# Altium PCB Fri3D_2020_00.PcbDoc (part 2 of 2) (continued)
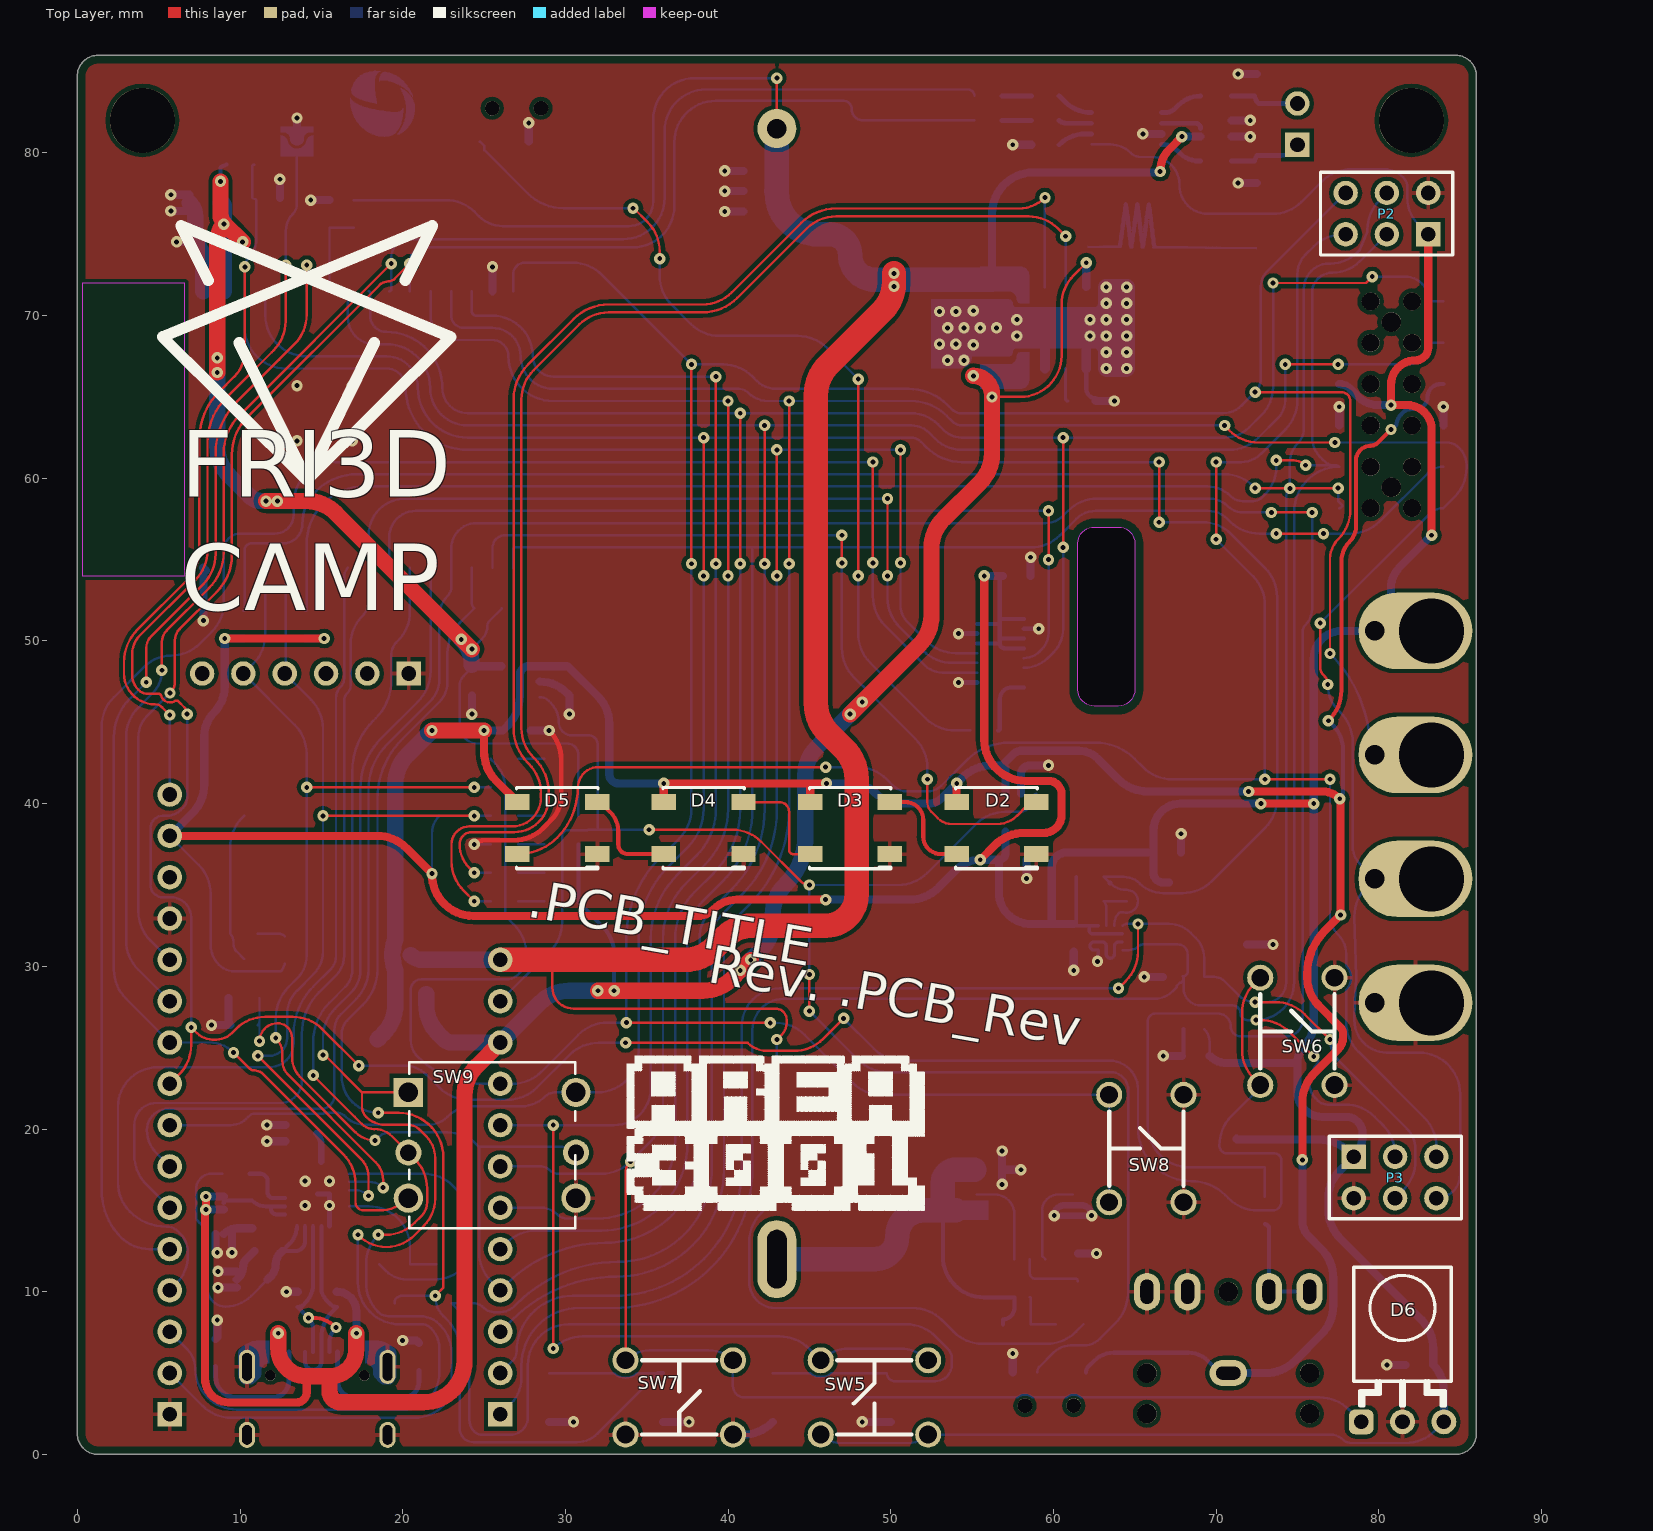
[diagram p0: Top Layer view]
## Nets (pads, with @x,y where several pads share a name; then routed paths per layer and width w, separated by ;. In a path a pad name is that pad's centre, name@x,y a point inside that pad or via, vN(x,y) a via of type N, cw(c..) or ccw(c..) an arc to the next point about the centre after c; other vN are vias at no path point) (continued)
NetJ2_B5: J2.B5 R5.1 | length 8.2
  Bottom Layer w0.3: R5.1@8.5,5.4 8.5,4.775 ccw(c9.775,4.775) 9.775,3.5 12,3.5 ccw(c12,4.5) 13,4.5 J2.B5@13,6.298
NetP8_15: P8.15 R28.1 | length 3.9
  Bottom Layer w0.25: R28.1@56.6,44.5 ccw(c56.6,44.6) 56.7,44.6 56.7,46.4 cw(c57.45,46.4) 57.45,47.15 P8.15@58.187,47.15
NetR9_2: R9.2 R10.2 | length 1.7
  Bottom Layer w0.15: R10.2@11.1,32 12.388,32 cw(c12.388,31.488) R9.2@12.75,31.85
NetR16_2: R16.2 U3.9 | length 3.3
  Bottom Layer w0.25: R16.2@10.6,17.25 11.25,17.25 cw(c11.25,16.8) 11.7,16.8 11.7,16.1 ccw(c12.05,16.1) 12.05,15.75 U3.9@12.775,15.75
NetR23_1: R23.1 U6.2 | length 2.1
  Bottom Layer w0.2: U6.2@60.75,66.75 60.75,64.9 ccw(c60.9,64.9) R23.1@60.9,64.75
NetR26_1: R26.1 U8.2 | length 4.1
  Bottom Layer w0.15: U8.2@58.55,12 58.55,11.15 ccw(c58.9,11.15) 58.9,10.8 61.35,10.8 cw(c61.35,10.65) R26.1@61.5,10.65
NetT1_4: T1.4 U8.1 | length 5.8
  Bottom Layer w0.15: T1.4@55.3,15.975 56.394,15.975 cw(c56.394,14.769) 57.6,14.769 U8.1@57.6,12
NetT1_5: T1.5 U8.3 | length 5.5
  Bottom Layer w0.15: U8.3@59.5,12 59.3,12.2 59.3,14.964 cw(c60.311,14.964) 60.311,15.975 T1.5@61.2,15.975
PWR.EN: P4.11 SW2.2 U4.3 U5.3 | length 105
  Top Layer w0.15: v1(35.15,38.4) 40.248,38.4 cw(c40.248,35.86) 42.044,37.656 44.488,35.212 ccw(c45,35.724) v1(45,35) ; v1(45,27.25) v1(45,29.5)
  Bottom Layer w0.15: P4.11@26,27.86 29.056,30.916 ccw(c27.26,32.712) 29.8,32.712 29.8,38 cw(c30.175,38) 30.175,38.375 31.3,38.375 ccw(c31.3,38.75) 31.435,38.4 32,38.4 ; U4.3@28.425,46.55 cw(c28.425,45.765) 28.98,46.32 29.1,46.2 cw(c27.893,44.993) 29.6,44.993 ccw(c30.393,44.993) 30.393,44.2 31.4,44.2 cw(c31.4,43.6) 32,43.6 32,38.4 ; v1(35.15,38.4) 32,38.4 ; v1(45,27.25) 48.006,24.244 ccw(c49.802,26.04) 49.802,23.5 63.5,23.5 cw(c63.5,22.4) 64.6,22.4 64.6,10.044 cw(c61.719,10.044) 63.756,8.006 62.869,7.119 cw(c61.859,8.128) 61.859,6.7 ; v1(45,29.5) v1(45,35) 50.448,35 ccw(c50.448,37.54) 52.244,35.744 55.259,38.759 cw(c57.047,36.973) 57.047,39.5 ; 57.048,39.5 57.876,39.5 ccw(c57.876,40.417) 58.523,39.768 ccw(c57.703,40.589) 58.864,40.589 U5.3@58.95,40.625 ; SW2.2@59,5.05 cw(c59.483,5.05) 59.141,5.391 60.006,6.256 cw(c61.078,5.184) 61.078,6.7 61.857,6.7
S\T\D\B\Y\: R24.2 U6.6 | length 80.5
  Top Layer w0.15: v1(24.4,34) 23.744,34.656 cw(c25.54,36.452) 23,36.452 23,37.5 cw(c24.1,37.5) 24.1,38.6 26.726,38.6 ccw(c26.726,40.374) 28.5,40.374 28.5,40.648 ccw(c25.96,40.648) 27.756,42.444 27.7,42.5 cw(c29.832,44.632) 26.817,44.632 26.817,64.848 cw(c29.84,64.848) 27.702,66.986 30.514,69.798 cw(c32.652,67.66) 32.652,70.683 38.431,70.683 ccw(c38.431,73.223) 40.227,71.427 44.498,75.698 cw(c46.636,73.56) 46.636,76.583 57.866,76.583 ccw(c57.866,78.865) v1(59.48,77.252)
  Bottom Layer w0.15: v1@24.4,34 R24.2@25.4,34 ; U6.6@59.48,71.75 v1(59.48,77.252)
SPI.CLK: MOD1.30 P5.6 P8.10 | length 99.4
  Top Layer w0.15: v1(49.8,54) v1(49.8,58.75)
  Bottom Layer w0.15: P5.6@5.68,15.16 4.244,16.596 cw(c6.04,18.392) 3.5,18.392 3.5,20.25 cw(c4.85,20.25) 4.85,21.6 12.461,21.6 ccw(c12.461,22.939) 13.8,22.939 13.8,25.853 cw(c17.397,25.853) 14.854,28.396 15.895,29.438 ccw(c14.676,30.657) 16.4,30.657 16.4,46.317 cw(c17.083,46.317) 16.6,46.8 ccw(c16.117,47.283) 16.8,47.283 16.8,49.81 cw(c19.19,49.81) 17.5,51.5 ccw(c16.529,52.471) 17.902,52.471 MOD1.30@17.902,54.5 17.902,56.502 cw(c20.15,56.502) 20.15,58.75 v1(49.8,58.75) ; v1(49.8,54) 49.8,52.652 ccw(c52.34,52.652) 50.544,50.856 52.006,49.394 ccw(c53.802,51.19) 53.802,48.65 P8.10@55.312,48.65
SPI.DI: MOD1.31 P5.4 | length 57.4
  Bottom Layer w0.15: 5.457,14 cw(c5.457,17.145) 3.234,14.92 cw(c5.004,16.692) 2.5,16.692 2.5,21.36 cw(c4.94,21.36) 4.94,23.8 11.8,23.8 ccw(c11.8,25.3) 13.3,25.3 13.3,25.853 cw(c17.397,25.853) 14.5,28.75 15.556,29.806 ccw(c14.726,30.636) 15.9,30.636 15.9,46.476 cw(c16.924,46.476) 16.2,47.2 ccw(c15.717,47.683) 16.4,47.683 16.4,53.94 cw(c17.192,53.94) MOD1.31@16.632,54.5 ; 5.458,14 5.476,14 cw(c5.476,12.976) 6.2,13.7 6.305,13.595 cw(c5.11,12.4) 6.8,12.4 6.8,12.252 cw(c4.26,12.252) 6.056,10.456 P5.4@5.68,10.08
SPI.DO: MOD1.37 P5.5 P8.12 | length 109.9
  Top Layer w0.15: v1(48.9,54.8) v1(48.9,61)
  Bottom Layer w0.15: 1.5,16.203 ccw(c5.543,16.203) 2.685,13.343 ccw(c4.432,15.092) 4.432,12.62 P5.5@5.68,12.62 ; 1.5,16.204 1.5,44.748 cw(c4.04,44.748) 2.244,46.544 4.129,48.429 cw(c5.748,46.812) 5.748,49.1 ; 5.749,49.1 ccw(c5.748,51.64) 7.544,49.844 8.268,50.568 ccw(c6.472,52.364) 9.012,52.364 MOD1.37@9.012,54.5 9.012,55.6 cw(c10.012,55.6) 10.012,56.6 12.138,56.6 ccw(c12.138,57.762) 13.3,57.762 13.3,58.46 cw(c15.84,58.46) 15.84,61 17.9,61 v1(48.9,61) ; v1(48.9,54.8) 48.9,52.752 ccw(c51.44,52.752) 49.644,50.956 52.1,48.5 ccw(c53.186,49.586) 53.186,48.05 P8.12@55.312,48.05
SPK_N: C24.1 F1.2 P10.2 | length 4.3
  Bottom Layer w0.3: F1.2@70.95,83.5 72.355,83.5 C24.1@72.5,83.15 72.61,83.04 P10.2@75,83.04
SPK_P: C25.1 F2.2 P10.1 | length 4.6
  Bottom Layer w0.3: F2.2@70.95,79.5 72.355,79.5 C25.1@72.5,79.85 73.999,79.85 ; 74,79.85 ccw(c74,81.098) 74.882,80.215 74.907,80.275 P10.1@75,80.5
USB.D_n: D1.1 J2.A7 J2.B7 U3.4 | length 12
  Top Layer w0.25: v1(14.207,8.393) 14.468,8.393 cw(c14.468,6.368) v1(15.9,7.8)
  Bottom Layer w0.25: J2.A7@14.5,6.298 14.5,7.686 14.5,7.688 ccw(c13.505,7.688) 14.209,8.391 v1(14.207,8.393) D1.1@13.55,9.05 ccw(c13.55,9.533) 13.891,9.191 14,9.3 ccw(c12.793,10.507) 14.5,10.507 U3.4@14.5,14.025 ; J2.B7@15.5,6.298 15.5,6.834 cw(c16.866,6.834) v1(15.9,7.8)
USB.D_p: D1.6 J2.A6 J2.B6 U3.3 | length 11.2
  Bottom Layer w0.25: J2.B6@14,6.298 14,5.7 ccw(c14.5,5.7) 14.5,5.2 ccw(c14.5,5.7) 15,5.7 J2.A6@15,6.298 15,7.176 15,7.178 cw(c17.226,7.178) 15.655,8.755 15.656,8.756 D1.6@15.95,9.05 cw(c15.95,9.533) 15.609,9.191 15.3,9.5 cw(c16.024,10.224) 15,10.224 U3.3@15,14.025
VBAT: BAT1.1 C17.1 C26.1 P4.12 P6.1 R8.1 R17.1 T5.3 U6.5 U9.6 | length 206.1
  Top Layer w0.15: 29.244,30.4 ccw(c29.244,30.356) 29.2,30.356 29.2,28.7 ccw(c30.5,28.7) 30.5,27.4 42.917,27.4 cw(c42.917,26.717) 43.4,27.2 cw(c42.917,26.717) 43.6,26.717 43.6,26.5 cw(c42.634,26.5) 43.317,25.817 v1(43,25.5) ; BAT1.1@43,81.5 v1(43,84.6)
  Top Layer w0.5: v1(66.561,78.859) cw(c68.498,78.859) 67.129,80.229 v1(67.9,81)
  Top Layer w1.5: P4.12@26,30.4 29.244,30.4 37.348,30.4 ccw(c37.348,32.94) 39.144,31.144 39.8,31.8 cw(c41.49,30.11) 41.49,32.5 46,32.5 ccw(c46,34.4) 47.9,34.4 47.9,41.548 ccw(c45.36,41.548) 47.156,43.344 46.144,44.356 cw(c47.94,46.152) 45.4,46.152 45.4,65.148 cw(c47.94,65.148) 46.144,66.944 49.456,70.256 ccw(c47.66,72.052) 50.2,72.052 v1(50.2,72.6)
  Bottom Layer w0.15: R17.1@17,77.1 22.648,77.1 cw(c22.648,74.56) 24.444,76.356 24.7,76.1 ccw(c26.149,77.549) 26.149,75.5 33.9,75.5 ccw(c33.9,77) 35.4,77 35.4,82.06 cw(c37.94,82.06) 37.94,84.6 v1(43,84.6) ; 42.256,15.056 42.044,14.844 ccw(c43.84,13.048) 41.3,13.048 41.3,10.6 ccw(c42.9,10.6) 42.9,9 51.348,9 cw(c51.348,6.46) 53.144,8.256 53.856,7.544 ccw(c55.652,9.34) 55.652,6.8 59.597,6.8 ccw(c59.597,9.34) 61.393,7.544 R8.1@61.85,8 ; 42.256,15.056 ccw(c40.46,16.852) 43,16.852 v1(43,25.5)
  Bottom Layer w0.3: U9.6@66.65,81.825 68.725,81.825 cw(c68.725,81.5) C26.1@69.05,81.5
  Bottom Layer w0.5: C17.1@56.227,72.199 56.227,76.26 cw(c58.767,76.26) 58.767,78.8 66.5,78.8 cw(c66.559,78.8) 66.559,78.859 v1(66.561,78.859) ; v1(67.9,81) C26.1@69.05,81
  Bottom Layer w1: T5.3@20.5,30.7 ccw(c21.224,31.424) 21.224,30.4 P4.12@26,30.4
  Bottom Layer w1.5: P6.1@42.95,77.65 ccw(c42.95,77.7) P6.1@43,77.7 ; BAT1.1@43,81.5 P6.1@43,77.7 ; C17.1@56.227,72.199 50.2,72.199 49.051,72.199 cw(c49.051,73.75) 47.5,73.75 ccw(c46.25,73.75) 46.25,75 45.54,75 cw(c45.54,77.54) 43,77.54 43,77.65 P6.1@43,77.7
  other v1: 50.2,71.8
Vo_N: F1.1 U9.5 | length 2.7
  Bottom Layer w0.3: U9.5@66.65,82.475 66.836,82.475 ccw(c66.836,83.414) 67.5,82.75 67.684,82.934 cw(c69.05,81.569) F1.1@69.05,83.5
Vo_P: F2.1 U9.8 | length 2.7
  Bottom Layer w0.3: U9.8@66.65,80.525 cw(c66.65,79.137) 67.632,80.118 67.75,80 ccw(c68.957,81.207) 68.957,79.5 F2.1@69.05,79.5
Vpp: C18.2 U3.16 | length 1.9
  Bottom Layer w0.4: C18.2@14.7,19.75 cw(c13.976,19.026) 15,19.026 U3.16@15,17.975
VSYS: C12.1 C14.1 C20.1 D2.1 D3.1 D4.1 D5.1 D17.C J1.1 P9.8 SW2.1 T5.2 U4.1 U5.1 | length 179
  Top Layer w0.25: v1(76.9,45.1) 76.956,45.156 ccw(c75.16,46.952) 77.7,46.952 77.7,54.893 cw(c79.407,54.893) 78.2,56.1 ccw(c77.234,57.066) 78.6,57.066 78.6,61.1 cw(c79.5,61.1) 79.5,62 ccw(c79.5,62.604) 79.927,62.177 v1(80.75,63)
  Top Layer w0.5: v1(25,44.5) 25,43.202 ccw(c27.54,43.202) 25.744,41.406 D5.1@27.05,40.1 ; D4.1@36.05,40.1 v1(36.05,41.25) 45.05,41.25 ; D3.1@45.05,40.1 45.05,41.25 ; v1(46.05,41.25) 45.05,41.25 ; D2.1@54.05,40.1 54.05,41.237 v1(54.057,41.243) ; v1(72,40.75) 76.514,40.75 cw(c76.514,39.214) v1(77.6,40.3) cw(c77.465,40.165) 77.656,40.165 v1(77.656,33.156) 76.7,32.2 ccw(c79.356,29.544) 75.6,29.544 75.6,29.543 75.6,29.3 ccw(c78.014,29.3) 76.307,27.593 77.659,26.241 cw(c77.317,25.9) 77.8,25.9 77.8,25.624 cw(c76.776,25.624) 77.5,24.9 76.044,23.444 ccw(c77.84,21.648) 75.3,21.648 v1(75.3,18.1)
  Top Layer w1: v1(21.8,44.5) v1(25,44.5)
  Bottom Layer w0.25: SW2.1@62,5.05 cw(c62.483,5.05) 62.141,5.391 62.5,5.75 cw(c63.707,4.543) 63.707,6.25 68.293,6.25 cw(c68.293,4.543) 69.5,5.75 69.896,5.354 ccw(c70.75,6.207) J1.1@70.75,5 ; v1(76.9,45.1) 77.2,44.8 cw(c75.751,43.351) 77.8,43.351 77.8,40.783 cw(c77.117,40.783) v1(77.6,40.3) ; v1(80.75,63) ccw(c80.608,63.479) 81.102,63.4 cw(c82.04,63.25) 81.134,63.537 cw(c82.04,63.25) 81.383,63.936 ccw(c81.038,64.298) 81.423,63.979 cw(c82,63.5) 82,64.25 82.25,64.25 ccw(c82.25,65) 83,65 cw(c83.79,65) 83.79,65.79 P9.8@83.97,65.79
  Bottom Layer w0.5: v1(25,44.5) C20.1@26.15,44.5 26.456,44.806 ccw(c24.66,46.602) 27.2,46.602 27.2,47.9 cw(c27.75,47.9) 27.75,48.45 U4.1@28.425,48.45 30.009,48.45 cw(c30.009,48.109) C12.1@30.25,48.35 32,46.6 cw(c30.31,44.91) 32.7,44.91 32.7,41.8 ccw(c33.25,41.8) 33.25,41.25 v1(36.05,41.25) ; v1(46.05,41.25) 47.672,41.25 cw(c47.672,39.372) 49,40.7 ccw(c50.69,42.39) 50.69,40 52.298,40 ccw(c52.298,41.213) 53.155,40.355 54.044,41.243 v1(54.057,41.243) ; v1@54.05,41.25 54.406,41.606 cw(c56.202,39.81) 56.202,42.35 C14.1@56.85,42.35 ; U5.1@57.05,40.625 57.05,42.15 ccw(c56.85,42.15) C14.1@56.85,42.35 ; J1.1@70.75,5 73.048,5 ccw(c73.048,7.54) 74.844,5.744 76.456,7.356 ccw(c74.66,9.152) 77.2,9.152 77.2,10.848 ccw(c74.66,10.848) 76.456,12.644 75.7,13.4 cw(c76.666,14.366) 75.3,14.366 v1(75.3,18.1) ; v1(72,40.75) 65.802,40.75 cw(c65.802,43.29) 64.006,41.494 62.75,42.75 ccw(c61.543,41.543) 61.543,43.25 58,43.25 ccw(c58,42.85) 57.986,43.25 ccw(c58,42.646) 57.573,43.073 C14.1@56.85,42.35
  Bottom Layer w1: D17.C@18.45,25.5 18.806,25.856 ccw(c17.01,27.652) 19.55,27.652 T5.2@19.55,28.3 19.55,29.701 ccw(c18.243,29.443) 19.474,29.952 cw(c20.075,30.2) 19.426,30.173 ccw(c18.426,30.132) 19.391,30.396 cw(c20.5,30.7) 19.391,31.004 ccw(c18.426,31.268) 19.424,31.196 ccw(c18.426,31.268) 19.426,31.227 cw(c20.075,31.2) 19.474,31.448 ccw(c18.243,31.957) 19.55,31.699 19.55,41.198 cw(c22.09,41.198) 20.294,42.994 v1(21.8,44.5)
VUSB: C8.1 C9.2 C16.1 D1.5 D14.1 D15.1 D16.1 D17.A J2.A4 J2.A9 J2.B4 J2.B9 P4.10 T5.1 U3.7 U3.8 U6.4 U6.8 | length 167.1
  Top Layer w0.15: v1(56.227,65) 57.96,65 ccw(c57.96,67.54) 60.5,67.54 60.5,70.678 cw(c63.04,70.678) 61.244,72.474 v1(62.02,73.25)
  Top Layer w0.5: v1(7.9,15.85) v1(7.9,15.05) 7.85,15 7.85,4.65 ccw(c9.3,4.65) 9.3,3.2 13.5,3.2 ccw(c13.5,3.8) 14.1,3.8 14.1,4.8
  Top Layer w1: v1(12.35,7.447) 12.35,6.55 ccw(c14.1,6.55) 14.1,4.8 15.5,4.8 ; v1(17.15,7.447) 17.15,6.45 cw(c15.5,6.45) 15.5,4.8 ; P4.10@26,25.32 24.544,23.864 ccw(c26.34,22.068) 23.8,22.068 23.8,5.74 cw(c21.26,5.74) 21.26,3.2 16.2,3.2 cw(c16.2,3.9) 15.5,3.9 15.5,4.8 ; v1(32,28.5) v1(33,28.5) 38.448,28.5 ccw(c38.448,31.04) 40.244,29.244 v1(40.75,29.75) v1(41.396,30.396) ; v1(47.5,45.5) v1(48.25,46.25) 51.756,49.756 ccw(c49.96,51.552) 52.5,51.552 52.5,55.698 cw(c55.04,55.698) 53.244,57.494 55.483,59.733 ccw(c53.687,61.529) 56.227,61.529 v1(56.227,65) 56.227,65.149 ccw(c55.077,65.149) v1(55.077,66.299)
  Bottom Layer w0.25: C9.2@9,15.45 cw(c9.15,15.45) 9.15,15.6 C8.1@10.75,15.6 ccw(c11.595,16.445) 11.595,15.25 11.9,15.25 ; U3.7@12.775,14.75 12.25,14.75 cw(c12.25,15.1) 11.9,15.1 11.9,15.25 ; U3.8@12.775,15.25 11.9,15.25 ; D14.1@30.8,37.5 D16.1@30.8,35.75 D15.1@30.8,34 ccw(c30.921,34) 30.835,33.915 32.256,32.494 cw(c30.46,30.698) 33,30.698 v1(33,28.5)
  Bottom Layer w0.5: v1(7.9,15.05) C9.2@9,15.05 ; v1(7.9,15.85) C9.2@9,15.85 ; J2.A9@12.35,6.298 v1(12.35,7.447) ; D1.5@15.95,10 cw(c15.95,8.8) 17.15,8.8 v1(17.15,7.447) J2.B9@17.15,6.298 ; v1(55.077,66.299) C16.1@56.227,66.299 v1(56.227,65) ; U6.8@62.02,71.75 v1(62.02,73.25)
  Bottom Layer w1: T5.1@21.45,28.3 21.45,27.652 ccw(c23.99,27.652) 22.194,25.856 D17.A@22.55,25.5 ccw(c22.985,25.935) 22.985,25.32 P4.10@26,25.32 28.436,27.756 cw(c30.232,25.96) 30.232,28.5 v1(32,28.5) v1(33,28.5) ; v1(40.75,29.75) v1(41.396,30.396) 42.043,31.043 ccw(c40.336,32.75) 42.75,32.75 42.75,33.198 cw(c45.29,33.198) 43.494,34.994 43.541,35.041 ccw(c40.629,37.957) 44.75,37.957 44.75,41.75 cw(c47.164,41.75) 45.457,43.457 v1(47.5,45.5) v1(48.25,46.25)
pads on no net: D1.3 D1.4 J1.0 J2.0 J2.A8 J2.B8 MOD1.32 P5.14 P6.M1 P6.M2 P7.2 P7.3 P7.6 P8.13 P8.MH1 P8.MH2 P9. P9.9 P9.11 SW2.M1 SW2.M2 SW2.M3 SW2.M4 SW2.M5 SW2.M6 SW4.3 SW4.M1 SW4.M2 SW4.M3 SW4.M4 SW4.M5 SW4.M6 T1.1 T1.8 U1.1 U1.2 U1.3 U1.7 U3.1 U3.10 U3.11 U3.12 U3.13 U3.14 U3.15 U3.17 U3.18 U3.22 U3.24 U4.4 U5.4 U7.6 U8.4

## Polygon pours and split planes (outlines as drawn)
GND on Top Layer "GND_L01_P001" (solid, remove dead copper, pour order 1): 1.25,0 cw(c1.25,1.25) 0,1.25 0,84.75 cw(c1.25,84.75) 1.25,86 84.75,86 cw(c84.75,84.75) 86,84.75 86,1.25 cw(c84.75,1.25) 84.75,0
GND on Bottom Layer "GND_L02_P002" (solid, remove dead copper, pour order 2): 1.25,0 cw(c1.25,1.25) 0,1.25 0,84.75 cw(c1.25,84.75) 1.25,86 84.75,86 cw(c84.75,84.75) 86,84.75 86,1.25 cw(c84.75,1.25) 84.75,0

## Keep-outs
Keep-Out Layer:
  text ".Layer_Name" at 262.902,-46.311 h3.5

## Other copper
Top Layer:
  text ".Layer_Name" at 262.902,-46.311 h3.5
Bottom Layer:
  rectangle net GBAT: 53.1,14.4 56,15.6
  region net GND: 52.5,67.5 52.5,66.75 54.25,66.75 ccw(c54.25,67.5) 55,67.5
  region net GND: 17.7,7 18.293,7 cw(c18.293,5.293) 19.5,6.5 cw(c19.259,6.259) 19.6,6.259 19.6,4.883 cw(c18.917,4.883) 19.4,4.4 cw(c19.159,4.641) 19.159,4.3 18.9,4.3 cw(c18.9,4.783) 18.559,4.441 18.3,4.7 cw(c18.541,4.941) 18.2,4.941 18.2,5.2 ccw(c17.959,5.2) 18.129,5.371 18,5.5 ccw(c17.759,5.259) 17.759,5.6 17.7,5.6
  region net GND: 11.8,7 11.207,7 ccw(c11.207,5.293) 10,6.5 ccw(c10.241,6.259) 9.9,6.259 9.9,4.883 ccw(c10.583,4.883) 10.1,4.4 ccw(c10.341,4.641) 10.341,4.3 10.6,4.3 ccw(c10.6,4.783) 10.941,4.441 11.2,4.7 ccw(c10.959,4.941) 11.3,4.941 11.3,5.2 cw(c11.541,5.2) 11.371,5.371 11.5,5.5 cw(c11.741,5.259) 11.741,5.6 11.8,5.6
  region net VUSB: 58.5,67.75 58.5,66 cw(c58,66) 58,65.5 55.5,65.5 55.5,67 57.25,67 ccw(c57.25,67.5) 57.75,67.5 cw(c58,67.5) 58,67.75
  region net GND: 57.75,70.5 cw(c57.75,70.75) 57.5,70.75 ccw(c57.25,70.75) 57.25,71 52.5,71 52.5,67.5 57.25,67.5 ccw(c57.25,67.75) 57.5,67.75 cw(c57.75,67.75) 57.75,68 62.5,68 cw(c62.5,67.75) 62.75,67.75 62.75,66.75 ccw(c63.25,66.75) 63.25,66.25 64.5,66.25 ccw(c64.5,66.75) 65,66.75 65,71.75 ccw(c64.5,71.75) 64.5,72.25 63.25,72.25 ccw(c63.25,71.75) 62.75,71.75 62.75,70.75 cw(c62.5,70.75) 62.5,70.5
  region net VBAT: 58.5,70.75 58.5,72.5 ccw(c58,72.5) 58,73 55.5,73 55.5,71.5 57.25,71.5 cw(c57.25,71) 57.75,71 ccw(c58,71) 58,70.75
  region: 2137 vertices and 5 holes, not listed, extent 62.11,74.085 72.507,76.96
  region: 20.613,83.486 20.595,83.486 20.595,83.469 20.63,83.469 20.63,83.486 20.63,83.503 20.613,83.504
  region: 570 vertices and 0 holes, not listed, extent 19.652,81.111 20.746,83.98
  region: 380 vertices and 0 holes, not listed, extent 18.55,83.521 20.613,84.98
  region: 638 vertices and 0 holes, not listed, extent 16.765,80.996 20.05,83.381
  region: 460 vertices and 0 holes, not listed, extent 16.84,83.036 18.643,85.038
  text ".Layer_Name" at 262.902,-46.311 h3.5

## Silkscreen, mask and mechanical layers (free items; w line width, h text height)
Top Overlay:
  drawing of 14 lines, arcs and shapes, not listed
  text "FRI3D / CAMP" at 6.344,50.523 h7
  text ".PCB_TITLE" at 27.45,32.3 h4 r350
  text "Rev. .PCB_Rev" at 38.55,28.3 h4 r350
  text ".Layer_Name" at 262.902,-46.311 h3.5
Bottom Overlay:
  drawing of 13 lines, arcs and shapes, not listed
  text ".PCB_TITLE" at 80.8,63.8 h3 r10
  text "Rev. .PCB_Rev" at 69.7,59.8 h3 r10
  text "Wim" at 84.2,20.8 h2 r351
  text ".Layer_Name" at 262.902,-46.311 h3.5
Top Paste:
  text ".Layer_Name" at 262.902,-46.311 h3.5
Bottom Paste:
  text ".Layer_Name" at 262.902,-46.311 h3.5
Top Solder:
  region: 46.214,4.001
  text ".Layer_Name" at 262.902,-46.311 h3.5
Bottom Solder:
  text ".Layer_Name" at 262.902,-46.311 h3.5
Drill Guide:
  text ".Layer_Name" at 262.902,-46.311 h3.5
3D Symbols:
  text ".Layer_Name" at 262.902,-46.311 h3.5
Outline:
  lines w0.1: 86,0 96,0 96,86 86,86 ; 61.5,47 ccw(c62.5,47) 62.5,46 64,46 ccw(c64,47) 65,47 65,56 ccw(c64,56) 64,57 62.5,57 ccw(c62.5,56) 61.5,56 61.5,47
  lines w0.254: 0,1.27 ccw(c1.27,1.27) 1.27,0 86,0 86,86 1.27,86 ccw(c1.27,84.73) 0,84.73 0,1.27
Comments:
  region: 108,9.22
  lines w0.1: 45.74,46.4 46.74,46.4 46.74,47.6
  text ".Layer_Name" at 262.902,-46.311 h3.5
Fabrication:
  lines w0.25: 85,88 86,87 ; 86,107.75 86,87 ; 87,88 86,87
  text "V-CUT" at 86.25,108.75 h1.52 r90
  text "Red Solder Mask" at -33,-7 h1.5
  text "White Silkscreen" at -33,-10 h1.5
  text "1.6mm Thickness" at -33,-16 h1.5
  text ".Layer_Name" at 262.902,-46.311 h3.5
Top Placebound:
  text ".Layer_Name" at 262.902,-46.311 h3.5
Bottom Placebound:
  text ".Layer_Name" at 262.902,-46.311 h3.5
Stencil:
  region: 120.5,70 ccw(c123,70) 123,67.5 ccw(c123,70) 125.5,70 ccw(c123,70) 123,72.5 ccw(c123,70)
  region: 120.5,10 ccw(c123,10) 123,7.5 ccw(c123,10) 125.5,10 ccw(c123,10) 123,12.5 ccw(c123,10)
  lines w0.15: -48.5,-20 -48.5,106 142,106 142,-20 -48.5,-20
Frame:
  drawing of 15 lines, arcs and shapes, not listed
  text "Document" at 258.402,-31.311 h2
  text ".PCB_TITLE" at 259.902,-36.811 h3.2
  text "Layer Name" at 258.402,-41.311 h2
  text "Date" at 258.402,-51.311 h2
  text "Rev" at 298.402,-51.311 h2
  text ".Print_Date" at 261.402,-56.811 h3.5
  text ".PCB_REV" at 302.902,-56.811 h4
  text "Desginer" at 208.402,-61.311 h2
  text "Document" at 258.402,-61.311 h2
  text ".Pcb_File_Name_No_Path" at 259.902,-66.311 h1.5
  text ".PCB_ENGINEER" at 212.902,-66.811 h4
Top Assembly:
  text ".Layer_Name" at 262.902,-46.311 h3.5
Bottom Assembly:
  text ".Layer_Name" at 262.902,-46.311 h3.5
Drill Drawing:
  drawing of 188 lines, arcs and shapes, not listed
  text "Symbol" at 179.543,66 h0.96
  text "Count" at 186.342,66 h0.96
  text "Hole Size" at 194.373,66 h0.96
  text "Plated" at 210.002,66 h0.96
  text "Hole Type" at 216.8,66 h0.96
  text "Drill Layer Pair" at 226.637,66 h0.96
  text "Via/Pad" at 246.665,66 h0.96
  text "Pad Shape" at 254.583,66 h0.96
  text "Template" at 264.58,66 h0.96
  text "Hole Length" at 283.941,66 h0.96
  text "Routed Path Length" at 299.436,66 h0.96
  text "1" at 186.342,64 h0.8
  text "1,200mm (47,24mil)" at 194.373,64 h0.8
  text "PTH" at 210.002,64 h0.8
  text "Slot" at 216.8,64 h0.8
  text "Top Layer - Bottom Layer" at 226.637,64 h0.8
  text "Pad" at 246.665,64 h0.8
  text "Rounded" at 254.583,64 h0.8
  text "r480_240h120_360r100" at 264.58,64 h0.8
  text "3,600mm (141,73mil)" at 283.941,64 h0.8
  text "2,400mm (94,49mil)" at 299.436,64 h0.8
  text "2" at 186.342,62 h0.8
  text "0,600mm (23,62mil)" at 194.373,62 h0.8
  text "PTH" at 210.002,62 h0.8
  text "Slot" at 216.8,62 h0.8
  text "Top Layer - Bottom Layer" at 226.637,62 h0.8
  text "Pad" at 246.665,62 h0.8
  text "Rounded" at 254.583,62 h0.8
  text "r100_160h60_120r100" at 264.58,62 h0.8
  text "1,200mm (47,24mil)" at 283.941,62 h0.8
  text "0,600mm (23,62mil)" at 299.436,62 h0.8
  text "2" at 186.342,60 h0.8
  text "0,600mm (23,62mil)" at 194.373,60 h0.8
  text "PTH" at 210.002,60 h0.8
  text "Slot" at 216.8,60 h0.8
  text "Top Layer - Bottom Layer" at 226.637,60 h0.8
  text "Pad" at 246.665,60 h0.8
  text "Rounded" at 254.583,60 h0.8
  text "r100_210h60_170r100" at 264.58,60 h0.8
  text "1,700mm (66,93mil)" at 283.941,60 h0.8
  text "1,100mm (43,31mil)" at 299.436,60 h0.8
  text "2" at 186.342,58 h0.8
  text "0,650mm (25,59mil)" at 194.373,58 h0.8
  text "NPTH" at 210.002,58 h0.8
  text "Round" at 216.8,58 h0.8
  text "Top Layer - Bottom Layer" at 226.637,58 h0.8
  text "Pad" at 246.665,58 h0.8
  text "Rounded" at 254.583,58 h0.8
  text "c65hn65" at 264.58,58 h0.8
  text "-" at 283.941,58 h0.8
  text "-" at 299.436,58 h0.8
  text "2" at 186.342,56 h0.8
  text "1,000mm (39,37mil)" at 194.373,56 h0.8
  text "PTH" at 210.002,56 h0.8
  text "Round" at 216.8,56 h0.8
  text "Top Layer - Bottom Layer" at 226.637,56 h0.8
  text "Pad" at 246.665,56 h0.8
  text "Rounded" at 254.583,56 h0.8
  text "c160h100" at 264.58,56 h0.8
  text "-" at 283.941,56 h0.8
  text "-" at 299.436,56 h0.8
  text "2" at 186.342,54 h0.8
  text "3,000mm (118,11mil)" at 194.373,54 h0.8
  text "NPTH" at 210.002,54 h0.8
  text "Round" at 216.8,54 h0.8
  text "Top Layer - Bottom Layer" at 226.637,54 h0.8
  text "Pad" at 246.665,54 h0.8
  text "Rounded" at 254.583,54 h0.8
  text "c0hn300m320" at 264.58,54 h0.8
  text "-" at 283.941,54 h0.8
  text "-" at 299.436,54 h0.8
  text "A" at 179.144,53.85 h0.89
  text "2" at 186.342,52 h0.8
  text "4,000mm (157,48mil)" at 194.373,52 h0.8
  text "NPTH" at 210.002,52 h0.8
  text "Round" at 216.8,52 h0.8
  text "Top Layer - Bottom Layer" at 226.637,52 h0.8
  text "Pad" at 246.665,52 h0.8
  text "Rounded" at 254.583,52 h0.8
  text "c400hn400m500" at 264.58,52 h0.8
  text "-" at 283.941,52 h0.8
  text "-" at 299.436,52 h0.8
  text "4" at 186.342,50 h0.8
  text "0,900mm (35,43mil)" at 194.373,50 h0.8
  text "NPTH" at 210.002,50 h0.8
  text "Round" at 216.8,50 h0.8
  text "Top Layer - Bottom Layer" at 226.637,50 h0.8
  text "Pad" at 246.665,50 h0.8
  text "Rounded" at 254.583,50 h0.8
  text "c90hn90" at 264.58,50 h0.8
  text "-" at 283.941,50 h0.8
  text "-" at 299.436,50 h0.8
  text "4" at 186.342,48 h0.8
  text "4,000mm (157,48mil)" at 194.373,48 h0.8
  text "PTH" at 210.002,48 h0.8
  text "Round" at 216.8,48 h0.8
  text "Top Layer - Bottom Layer" at 226.637,48 h0.8
  text "Pad" at 246.665,48 h0.8
  text "Rounded" at 254.583,48 h0.8
  text "r470_700h400r100o0_-100" at 264.58,48 h0.8
  text "-" at 283.941,48 h0.8
  text "-" at 299.436,48 h0.8
  text "5" at 186.342,46 h0.8
  text "0,800mm (31,50mil)" at 194.373,46 h0.8
  text "PTH" at 210.002,46 h0.8
  text "Slot" at 216.8,46 h0.8
  text "Top Layer - Bottom Layer" at 226.637,46 h0.8
  text "Pad" at 246.665,46 h0.8
  text "Rounded" at 254.583,46 h0.8
  text "r230_160h80_150r100" at 264.58,46 h0.8
  text "1,500mm (59,06mil)" at 283.941,46 h0.8
  text "0,700mm (27,56mil)" at 299.436,46 h0.8
  text "7" at 186.342,44 h0.8
  text "1,200mm (47,24mil)" at 194.373,44 h0.8
  text "NPTH" at 210.002,44 h0.8
  text "Round" at 216.8,44 h0.8
  text "Top Layer - Bottom Layer" at 226.637,44 h0.8
  text "Pad" at 246.665,44 h0.8
  text "Rounded" at 254.583,44 h0.8
  text "c120hn120" at 264.58,44 h0.8
  text "-" at 283.941,44 h0.8
  text "-" at 299.436,44 h0.8
  text "9" at 186.342,42 h0.8
  text "1,200mm (47,24mil)" at 194.373,42 h0.8
  text "PTH" at 210.002,42 h0.8
  text "Round" at 216.8,42 h0.8
  text "Top Layer - Bottom Layer" at 226.637,42 h0.8
  text "Pad" at 246.665,42 h0.8
  text "(Mixed)" at 254.583,42 h0.8
  text "(Mixed)" at 264.58,42 h0.8
  text "-" at 283.941,42 h0.8
  text "-" at 299.436,42 h0.8
  text "12" at 186.342,40 h0.8
  text "1,100mm (43,31mil)" at 194.373,40 h0.8
  text "NPTH" at 210.002,40 h0.8
  text "Round" at 216.8,40 h0.8
  text "Top Layer - Bottom Layer" at 226.637,40 h0.8
  text "Pad" at 246.665,40 h0.8
  text "Rounded" at 254.583,40 h0.8
  text "c110hn110" at 264.58,40 h0.8
  text "-" at 283.941,40 h0.8
  text "-" at 299.436,40 h0.8
  text "16" at 186.342,38 h0.8
  text "1,100mm (43,31mil)" at 194.373,38 h0.8
  text "PTH" at 210.002,38 h0.8
  text "Round" at 216.8,38 h0.8
  text "Top Layer - Bottom Layer" at 226.637,38 h0.8
  text "Pad" at 246.665,38 h0.8
  text "Rounded" at 254.583,38 h0.8
  text "c160h110" at 264.58,38 h0.8
  text "-" at 283.941,38 h0.8
  text "-" at 299.436,38 h0.8
  text "51" at 186.342,36 h0.8
  text "0,900mm (35,43mil)" at 194.373,36 h0.8
  text "PTH" at 210.002,36 h0.8
  text "Round" at 216.8,36 h0.8
  text "Top Layer - Bottom Layer" at 226.637,36 h0.8
  text "Pad" at 246.665,36 h0.8
  text "(Mixed)" at 254.583,36 h0.8
  text "(Mixed)" at 264.58,36 h0.8
  text "-" at 283.941,36 h0.8
  text "-" at 299.436,36 h0.8
  text "254" at 186.342,34 h0.8
  text "0,300mm (11,81mil)" at 194.373,34 h0.8
  text "PTH" at 210.002,34 h0.8
  text "Round" at 216.8,34 h0.8
  text "Top Layer - Bottom Layer" at 226.637,34 h0.8
  text "Via" at 246.665,34 h0.8
  text "Rounded" at 254.583,34 h0.8
  text "v70h30m0mx60" at 264.58,34 h0.8
  text "-" at 283.941,34 h0.8
  text "-" at 299.436,34 h0.8
  text "375 Total" at 186.342,32 h0.8
  text "Slot definitions :" at 179.543,30.034 h0.8
  text "Routed Path Length" at 193.359,30.034 h0.8
  text "= Calculated from tool start centre position to tool end centre position." at 208.108,30.034 h0.8
  text "Hole Length" at 193.359,28.667 h0.8
  text "= Routed Path Length + Tool Size = Slot length as defined in the PCB layout" at 202.643,28.667 h0.8
  text ".Layer_Name" at 262.902,-46.311 h3.5
Panel:
  text ".Layer_Name" at 262.902,-46.311 h3.5

## Dimensions
96,0 to 86,0 on Fabrication
86,0 to 0,1.27 on Fabrication
1.27,86 to 1.27,0 on Fabrication

## Text inside footprints (layer, text, board x,y; h text height)
BAT1: Bottom Assembly "+" at 39,82.25 h2 r270; Bottom Overlay "+" at 39,82.25 h2 r270
J1: Comments "PCB EDGE" at 67.75,3 h0.8 r180
J2: Comments "PCB Edge" at 17.05,-0.75 h0.61